# KiCad board mtk64_R_rev2.kicad_pcb (continued)
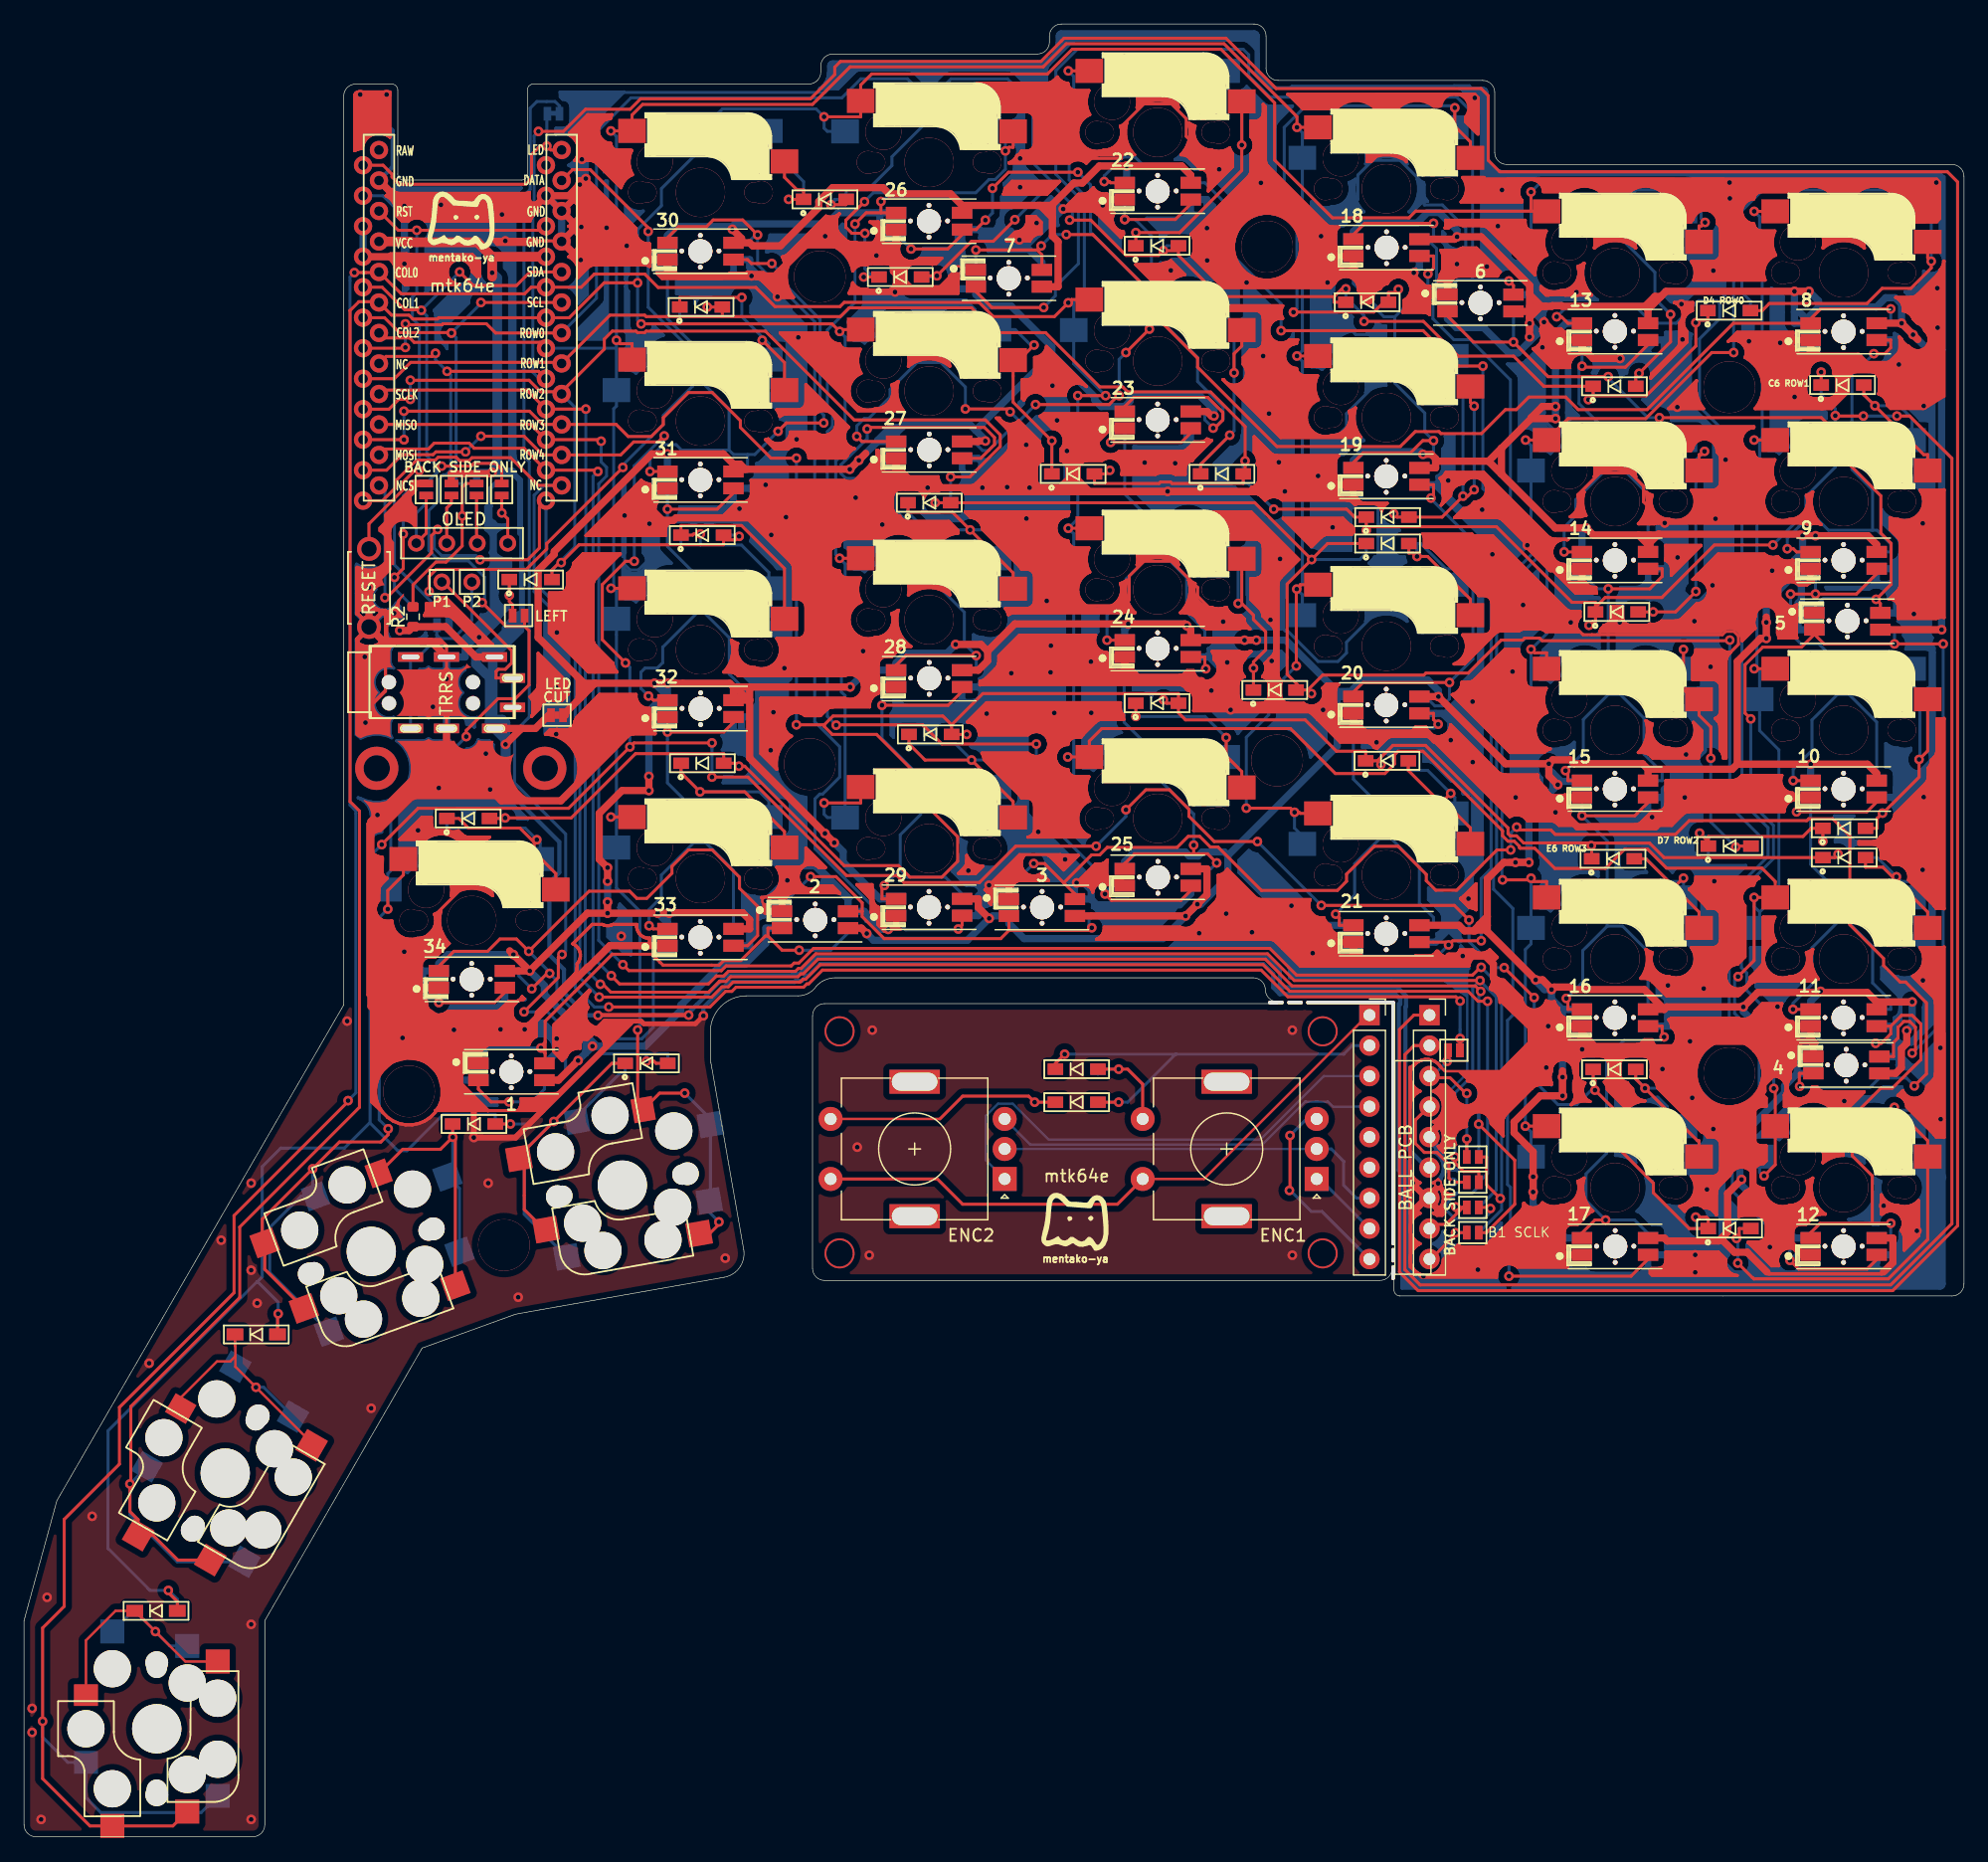
[diagram p0: board, top side]
## Routing (per net, layer and track width the routed paths; a pad name or vN(x,y) marks a point on that pad's centre or on a via; arc(x,y) is an arc through that point) (continued)
; 117.95,57.34 117.93,57.37 ; 117.95,57.34 118.26,57.03 ; 47.86,141.99 47.9,141.79 ; 47.86,141.99 47.9,141.79 ; 47.86,141.99 47.86,142.2 ; 47.86,141.99 47.86,142.2 ; 47.9,141.79 47.98,141.61 ; 47.9,141.79 47.98,141.61 ; 157,80.27 157.04,80.07 ; 157,80.27 157.04,80.07 ; 156.3,124.68 156.3,124.64 ; 156.3,124.68 156.3,124.64 ; 142.51,72.65 142.32,72.57 ; 142.51,72.65 142.32,72.57 ; 144.17,57.95 144.23,57.84 ; 144.17,57.95 144.13,58.07 ; 144.17,57.95 144.23,57.84 ; 144.17,57.95 144.13,58.07 ; 141.17,92.88 141.1,92.96 ; 141.17,92.88 141.1,92.96 ; 97.04,103.09 97.15,103.61 ; 97.04,103.09 97.15,103.61 ; 97.15,103.61 97.15,104.14 ; 97.15,103.61 97.15,104.14 ; 108.27,116.64 108.59,116.64 ; 108.27,116.64 108.59,116.64 ; 85.26,91.52 85.15,91.69 ; 85.26,91.52 85.34,91.33 ; 85.26,91.52 85.15,91.69 ; 85.26,91.52 85.34,91.33 ; 110.47,111.49 110.63,111.65 ; 110.47,111.49 110.63,111.65 ; 156.3,124.04 156.3,124.07 ; 156.3,124.04 156.3,124 ; 156.3,124.04 156.3,124 ; 156.3,124.04 156.3,124.07 ; 156.3,124.07 156.3,124.64 ; 156.3,124.07 156.3,124.64 ; 150.96,134.34 150.73,133.99 ; 150.96,134.34 150.73,133.99 ; 89.08,139.96 89.24,140.04 ; 89.08,139.96 89.24,140.04 ; 138.87,53.06 139.04,53.32 ; 138.87,53.06 139.04,53.32 ; 139.04,53.32 139.16,53.61 ; 139.04,53.32 139.16,53.61 ; 50.41,139.31 50.5,138.89 ; 50.41,139.31 50.5,138.89 ; 138.63,126.93 138.8,127.04 ; 138.63,126.93 138.8,127.04 ; 96.61,95.86 96.48,95.93 ; 96.61,95.86 96.48,95.93 ; 96.61,95.86 96.72,95.77 ; 96.61,95.86 96.72,95.77 ; 96.48,95.93 96.33,95.97 ; 96.48,95.93 96.33,95.97 ; 103.33,94.46 103.44,94.52 ; 103.33,94.46 103.44,94.52 ; 33.08,71.35 33.07,71.23 ; 33.08,71.35 33.11,71.43 ; 33.08,71.35 33.07,71.23 ; 33.08,71.35 33.11,71.43 ; 33.07,71.23 33.07,71.01 ; 33.07,71.23 33.07,71.01 ; 119.55,61.12 119.41,61.27 ; 119.55,61.12 119.41,61.27 ; 141.3,115.05 141.24,115.16 ; 141.3,115.05 141.24,115.16 ; 117.75,54.67 117.82,54.74 ; 117.75,54.67 117.82,54.74 ; 113.14,110.5 113.12,110.42 ; 113.14,110.5 113.12,110.42 ; 113.12,110.42 113.11,110.53 ; 113.12,110.42 113.11,110.53 ; 148.63,120 148.73,119.92 ; 148.63,120 148.73,119.92 ; 46.82,69.57 46.82,69.77 ; 46.82,69.57 46.86,69.37 ; 46.82,69.57 46.86,69.37 ; 46.82,69.57 46.82,69.77 ; 46.82,69.77 46.86,69.97 ; 46.82,69.77 46.86,69.97 ; 148.93,110.96 149.03,110.44 ; 148.93,110.96 149.03,110.44 ; 98.42,76.88 98.56,77.02 ; 98.42,76.88 98.25,76.77 ; 98.42,76.88 98.25,76.77 ; 98.42,76.88 98.56,77.02 ; 129.96,48.6 129.94,48.6 ; 129.96,48.6 129.94,48.6 ; 135.5,101.03 135.64,101 ; 135.5,101.03 135.64,101 ; 135.64,101 135.84,101 ; 135.64,101 135.84,101 ; 73.78,128.92 73.89,128.86 ; 73.78,128.92 73.89,128.86 ; 73.89,128.86 74.01,128.82 ; 73.89,128.86 74.01,128.82 ; 34.59,83.71 35.88,83.71 ; 34.59,83.71 35.88,83.71 ; 35.88,83.71 36.01,83.72 ; 35.88,83.71 36.01,83.72 ; 113.11,110.53 113.07,110.64 ; 113.11,110.53 113.07,110.64 ; 95.99,107.06 95.64,107.3 ; 95.99,107.06 95.64,107.3 ; 110.89,112.75 110.91,112.75 ; 110.89,112.75 110.89,112.77 ; 110.89,112.75 110.91,112.75 ; 110.89,112.75 110.89,112.77 ; 110.91,112.75 110.91,112.5 ; 110.91,112.75 110.91,112.5 ; 149.43,123 149.24,122.92 ; 149.43,123 149.24,122.92 ; 129.68,86.43 129.68,86.45 ; 129.68,86.43 129.68,86.45 ; 156.31,104.18 156.28,104.06 ; 156.31,104.18 156.28,104.06 ; 94.87,109.17 94.95,109.58 ; 94.87,109.17 94.95,109.58 ; 144.09,71.2 143.93,71.11 ; 144.09,71.2 144.27,71.26 ; 144.09,71.2 143.93,71.11 ; 144.09,71.2 144.27,71.26 ; 143.93,71.11 143.79,71 ; 143.93,71.11 143.79,71 ; 45.86,65.65 46.06,65.69 ; 45.86,65.65 45.68,65.58 ; 45.86,65.65 45.68,65.58 ; 45.86,65.65 46.06,65.69 ; 121.9,73.34 121.71,73.42 ; 121.9,73.34 121.71,73.42 ; 129.48,100.43 129.5,100.39 ; 129.48,100.43 129.4,100.62 ; 129.48,100.43 129.4,100.62 ; 129.48,100.43 129.5,100.39 ; 112.21,91.06 112.08,91.13 ; 112.21,91.06 112.33,90.97 ; 112.21,91.06 112.08,91.13 ; 112.21,91.06 112.33,90.97 ; 47.1,70.53 47.16,70.44 ; 47.1,70.53 47.16,70.44 ; 77.1,112.24 77.31,112.24 ; 77.1,112.24 77.31,112.24 ; 64.54,79.67 64.62,79.49 ; 64.54,79.67 64.62,79.49 ; 119.21,57.82 119.28,57.66 ; 119.21,57.82 119.28,57.66 ; 99.12,127.72 99.17,127.68 ; 99.12,127.72 99.17,127.68 ; 29.57,137.79 29.56,137.77 ; 29.57,137.79 29.56,137.77 ; 29.57,137.79 30.36,137 ; 29.57,137.79 30.36,137 ; 29.56,137.77 29.38,137.95 ; 29.56,137.77 29.38,137.95 ; 34.43,70.6 33.23,70.6 ; 34.43,70.6 33.23,70.6 ; 147.29,104.55 147.08,104.55 ; 147.29,104.55 147.49,104.51 ; 147.29,104.55 147.08,104.55 ; 147.29,104.55 147.49,104.51 ; 147.08,104.55 146.88,104.51 ; 147.08,104.55 146.88,104.51 ; 72.79,76.85 72.81,76.85 ; 72.79,76.85 72.81,76.85 ; 72.81,76.85 72.81,76.6 ; 72.81,76.85 72.81,76.6 ; 142.36,66.39 141.81,66.39 ; 142.36,66.39 142.9,66.28 ; 142.36,66.39 142.9,66.28 ; 142.36,66.39 141.81,66.39 ; 64.51,80.77 64.63,80.78 ; 64.51,80.77 64.63,80.78 ; 64.63,80.78 64.75,80.82 ; 64.63,80.78 64.75,80.82 ; 122.12,49.51 122.15,49.62 ; 122.12,49.51 122.15,49.62 ; 122.12,49.51 122.06,49.4 ; 122.12,49.51 122.06,49.4 ; 122.15,49.62 122.28,49.69 ; 122.15,49.62 122.28,49.69 ; 118.02,54.49 117.99,54.51 ; 118.02,54.49 117.99,54.51 ; 39.2,68.72 39.24,68.73 ; 39.2,68.72 39.24,68.73 ; 89.43,99.02 89.57,98.87 ; 89.43,99.02 89.32,99.19 ; 89.43,99.02 89.57,98.87 ; 89.43,99.02 89.32,99.19 ; 128.33,68.15 128.32,68.03 ; 128.33,68.15 128.32,68.03 ; 99.96,107.99 99.86,107.91 ; 99.96,107.99 99.86,107.91 ; 155.88,85.17 155.84,84.97 ; 155.88,85.17 155.84,84.97 ; 120.31,60.89 120.51,60.93 ; 120.31,60.89 120.11,60.89 ; 120.31,60.89 120.11,60.89 ; 120.31,60.89 120.51,60.93 ; 120.51,60.93 120.7,61.01 ; 120.51,60.93 120.7,61.01 ; 75.81,125.3 75.9,124.88 ; 75.81,125.3 75.81,125.72 ; 75.81,125.3 75.81,125.72 ; 75.81,125.3 75.9,124.88 ; 65.43,81.01 65.23,80.97 ; 65.43,81.01 65.23,80.97 ; 83.68,143.68 83.56,143.69 ; 83.68,143.68 83.8,143.65 ; 83.68,143.68 83.56,143.69 ; 83.68,143.68 83.8,143.65 ; 83.56,143.69 81.26,143.69 ; 83.56,143.69 81.26,143.69 ; 34.05,102.74 34.24,102.81 ; 34.05,102.74 34.24,102.81 ; 34.05,102.74 33.85,102.7 ; 34.05,102.74 33.85,102.7 ; 45.59,90.81 45.2,91.2 ; 45.59,90.81 45.9,90.34 ; 45.59,90.81 45.9,90.34 ; 45.59,90.81 45.2,91.2 ; 45.2,91.2 44.73,91.51 ; 45.2,91.2 44.73,91.51 ; 113.07,110.64 113.02,110.76 ; 113.07,110.64 113.02,110.76 ; 49.41,97.02 49.31,97.12 ; 49.41,97.02 49.31,97.12 ; 144.31,114.89 144.23,114.99 ; 144.31,114.89 144.23,114.99 ; 138.74,85.4 138.77,85.4 ; 138.74,85.4 138.77,85.4 ; 119.5,134.31 119.3,134.31 ; 119.5,134.31 119.3,134.31 ; 122.64,109.89 119.18,109.89 ; 122.64,109.89 119.18,109.89 ; 122.64,109.89 122.68,109.89 ; 122.64,109.89 122.68,109.89 ; 144.98,102.52 145.16,102.54 ; 144.98,102.52 145.16,102.54 ; 42.25,134.82 42.15,134.58 ; 42.25,134.82 42.15,134.58 ; 42.25,134.82 42.4,135.05 ; 42.25,134.82 42.4,135.05 ; 42.15,134.58 33.43,134.58 ; 42.15,134.58 33.43,134.58 ; 53.45,108.9 53.45,108.39 ; 53.45,108.9 53.45,108.39 ; 53.45,108.9 53.46,109.03 ; 53.45,108.9 53.46,109.03 ; 159.71,130.58 159.82,130.75 ; 159.71,130.58 159.82,130.75 ; 159.82,130.75 159.9,130.93 ; 159.82,130.75 159.9,130.93 ; 116.87,58.47 117.65,59.25 ; 116.87,58.47 117.65,59.25 ; 144.55,64.92 144.25,65.38 ; 144.55,64.92 144.76,64.41 ; 144.55,64.92 144.25,65.38 ; 144.55,64.92 144.76,64.41 ; 91.66,142.62 91.88,142.77 ; 91.66,142.62 91.88,142.77 ; 42.83,132.85 42.6,132.7 ; 42.83,132.85 42.9,132.89 ; 42.83,132.85 42.6,132.7 ; 42.83,132.85 42.9,132.89 ; 42.6,132.7 42.55,132.65 ; 42.6,132.7 42.55,132.65 ; 138.65,109.99 138.87,110.22 ; 138.65,109.99 138.87,110.22 ; 80.73,78.23 81.93,78.23 ; 80.73,78.23 81.93,78.23 ; 95.82,113.55 95.68,113.6 ; 95.82,113.55 95.68,113.6 ; 95.68,113.6 95.57,113.61 ; 95.68,113.6 95.57,113.61 ; 144.31,60.65 144.23,60.55 ; 144.31,60.65 144.23,60.55 ; 144.23,60.55 144.17,60.44 ; 144.23,60.55 144.17,60.44 ; 104.7,96.29 104.73,96.27 ; 104.7,96.29 104.73,96.27 ; 104.73,96.27 104.75,96.25 ; 104.73,96.27 104.75,96.25 ; 94.6,111.97 94.71,111.98 ; 94.6,111.97 94.71,111.98 ; 103.24,124.38 103.2,124.26 ; 103.24,124.38 103.2,124.26 ; 124.71,52.12 124.74,52.15 ; 124.71,52.12 124.74,52.15 ; 122.81,47.19 122.73,47 ; 122.81,47.19 122.73,47 ; 110.57,109.22 110.59,109.21 ; 110.57,109.22 110.55,109.23 ; 110.57,109.22 110.55,109.23 ; 110.57,109.22 110.59,109.21 ; 110.59,109.21 110.6,109.21 ; 110.59,109.21 110.6,109.21 ; 102.14,100.61 101.99,100.67 ; 102.14,100.61 101.99,100.67 ; 102.14,100.61 101.92,100.83 ; 102.14,100.61 101.92,100.83 ; 101.99,100.67 101.79,100.71 ; 101.99,100.67 101.79,100.71 ; 111.17,128.84 111.17,129.04 ; 111.17,128.84 111.17,129.04 ; 100.24,102.24 100.36,102.07 ; 100.24,102.24 100.36,102.07 ; 100.36,102.07 100.5,101.93 ; 100.36,102.07 100.5,101.93 ; 67.63,117.47 67.55,117.28 ; 67.63,117.47 67.55,117.28 ; 87.98,84.07 87.86,84.36 ; 87.98,84.07 87.86,84.36 ; 69.75,95.29 69.83,95.47 ; 69.75,95.29 69.83,95.47 ; 96.98,115.64 96.96,115.61 ; 96.98,115.64 96.96,115.61 ; 118.31,91.76 118.13,91.68 ; 118.31,91.76 118.13,91.68 ; 70.45,94.35 70.49,94.55 ; 70.45,94.35 70.49,94.55 ; 74.92,126.13 74.76,126.52 ; 74.92,126.13 75,125.72 ; 74.92,126.13 74.76,126.52 ; 74.92,126.13 75,125.72 ; 74.76,126.52 74.71,126.6 ; 74.76,126.52 74.71,126.6 ; 120.51,62.92 120.7,62.84 ; 120.51,62.92 120.7,62.84 ; 60.61,130.29 60.65,130.29 ; 60.61,130.29 60.65,130.29 ; 60.65,130.29 61.6,130.29 ; 60.65,130.29 61.6,130.29 ; 117.65,52.25 117.58,52.01 ; 117.65,52.25 117.58,52.01 ; 121.5,60.36 121.3,60.4 ; 121.5,60.36 121.3,60.4 ; 121.3,60.4 121.1,60.4 ; 121.3,60.4 121.1,60.4 ; 86.09,108.51 86.2,108.34 ; 86.09,108.51 86.2,108.34 ; 86.09,108.51 86.01,108.69 ; 86.09,108.51 86.01,108.69 ; 86.2,108.34 86.35,108.19 ; 86.2,108.34 86.35,108.19 ; 118.2,73.38 118.39,73.3 ; 118.2,73.38 118.39,73.3 ; 97.1,101.9 97.09,101.9 ; 97.1,101.9 97.09,101.9 ; 71.18,95.24 70.99,95.17 ; 71.18,95.24 70.99,95.17 ; 48.5,74.08 48.5,74.08 ; 48.5,74.08 48.5,74.08 ; 79.46,130.39 79.46,130.65 ; 79.46,130.39 79.46,130.65 ; 148.73,48.6 148.71,48.6 ; 148.73,48.6 148.71,48.6 ; 148.54,111.66 148.59,111.37 ; 148.54,111.66 148.59,111.37 ; 144.13,58.07 144.12,58.2 ; 144.13,58.07 144.12,58.2 ; 115.56,53.68 115.49,53.41 ; 115.56,53.68 115.49,53.41 ; 82.21,78.23 82.21,77.98 ; 82.21,78.23 82.21,77.98 ; 102.97,102.3 102.95,102.32 ; 102.97,102.3 103.07,102.18 ; 102.97,102.3 103.07,102.18 ; 102.97,102.3 102.95,102.32 ; 102.95,102.32 102.22,103.05 ; 102.95,102.32 102.22,103.05 ; 71.17,115.33 71.18,115.11 ; 71.17,115.33 71.18,115.11 ; 71.17,115.33 71.18,115.45 ; 71.17,115.33 71.18,115.45 ; 71.18,115.11 71.33,114.95 ; 71.18,115.11 71.33,114.95 ; 86.82,112.7 86.87,112.81 ; 86.82,112.7 86.87,112.81 ; 79.63,109.52 79.49,109.67 ; 79.63,109.52 79.49,109.67 ; 75.9,105.83 76.06,105.44 ; 75.9,105.83 76.06,105.44 ; 138.17,85.15 137.28,84.25 ; 138.17,85.15 137.28,84.25 ; 144.53,51.78 143.22,51.78 ; 144.53,51.78 143.22,51.78 ; 137.48,109.64 137.8,109.64 ; 137.48,109.64 137.8,109.64 ; 137.48,109.64 137.18,109.7 ; 137.48,109.64 137.18,109.7 ; 157.97,123.8 158.15,123.85 ; 157.97,123.8 157.79,123.78 ; 157.97,123.8 158.15,123.85 ; 157.97,123.8 157.79,123.78 ; 158.15,123.85 158.31,123.94 ; 158.15,123.85 158.31,123.94 ; 120.87,62.73 120.7,62.84 ; 120.87,62.73 121.01,62.59 ; 120.87,62.73 121.01,62.59 ; 120.87,62.73 120.7,62.84 ; 116.87,144.69 115.09,144.69 113.74,143.35 113.74,141.68 115.17,140.25 115.17,139.51 114.41,140.27 112.99,140.27 112.25,139.53 111.91,139.53 111.91,140.37 113.26,141.73 113.26,143.33 111.92,144.67 110.02,144.67 109.28,143.93 106.54,143.93 105.33,145.14 105.27,145.14 119.79,145.14 ; 70.89,99.89 71.06,99.89 ; 70.89,99.89 71.06,99.89 ; 150.54,122.67 150.65,122.5 ; 150.54,122.67 150.65,122.5 ; 101.68,101.44 101.68,101.43 ; 101.68,101.44 101.68,101.43 ; 81.69,137.02 81.73,137.22 ; 81.69,137.02 81.61,136.83 ; 81.69,137.02 81.61,136.83 ; 81.69,137.02 81.73,137.22 ; 49.06,140.64 49.16,140.57 ; 49.06,140.64 49.16,140.57 ; 49.16,140.57 49.27,140.51 ; 49.16,140.57 49.27,140.51 ; 69.47,129.01 69.3,129.12 ; 69.47,129.01 69.3,129.12 ; 141.15,48.7 141.19,48.69 ; 141.15,48.7 136.95,48.7 ; 141.15,48.7 141.19,48.69 ; 141.15,48.7 136.95,48.7 ; 73.74,103.71 73.74,104.13 ; 73.74,103.71 73.68,103.45 ; 73.74,103.71 73.74,104.13 ; 73.74,103.71 73.68,103.45 ; 35.31,101.72 35.17,101.74 ; 35.31,101.72 35.17,101.74 ; 35.31,101.72 35.49,101.67 ; 35.31,101.72 35.49,101.67 ; 118.39,73.3 118.59,73.26 ; 118.39,73.3 118.59,73.26 ; 157.44,109.82 157.7,109.99 ; 157.44,109.82 157.7,109.99 ; 85.97,108.89 86.01,108.69 ; 85.97,108.89 86.01,108.69 ; 97.69,76.21 97.75,76.35 ; 97.69,76.21 97.75,76.35 ; 97.75,76.35 98.11,76.71 ; 97.75,76.35 98.11,76.71 ; 141.3,131.61 141.34,131.73 ; 141.3,131.61 141.24,131.5 ; 141.3,131.61 141.24,131.5 ; 141.3,131.61 141.34,131.73 ; 52.12,93.78 52.12,93.56 ; 52.12,93.78 52.12,93.56 ; 52.12,93.78 52.13,93.9 ; 52.12,93.78 52.13,93.9 ; 52.12,93.56 52.28,93.4 ; 52.12,93.56 52.28,93.4 ; 156.3,124 156.28,123.89 ; 156.3,124 156.28,123.89 ; 126.85,90.49 126.71,90.38 ; 126.85,90.49 127.01,90.58 ; 126.85,90.49 127.01,90.58 ; 126.85,90.49 126.71,90.38 ; 126.71,90.38 126.7,90.36 ; 126.71,90.38 126.7,90.36 ; 145.06,51.49 145.11,51.38 ; 145.06,51.49 145.11,51.38 ; 53.55,109.26 53.5,109.14 ; 53.55,109.26 53.5,109.14 ; 53.5,109.14 53.46,109.03 ; 53.5,109.14 53.46,109.03 ; 157.5,128.28 157.64,128.35 ; 157.5,128.28 157.36,128.23 ; 157.5,128.28 157.36,128.23 ; 157.5,128.28 157.64,128.35 ; 157.64,128.35 157.75,128.44 ; 157.64,128.35 157.75,128.44 ; 118.1,60.17 117.95,59.95 ; 118.1,60.17 117.95,59.95 ; 79.86,108.96 79.86,108.9 ; 79.86,108.96 79.86,108.9 ; 144.23,136.75 144.17,136.64 ; 144.23,136.75 144.17,136.64 ; 144.23,136.75 144.31,136.85 ; 144.23,136.75 144.31,136.85 ; 133,63.45 133.01,63.33 ; 133,63.45 133.01,63.33 ; 65.1,100.21 65.14,100.33 ; 65.1,100.21 65.14,100.33 ; 65.1,100.21 65.04,100.1 ; 65.1,100.21 65.04,100.1 ; 66.19,80.78 66.24,80.74 ; 66.19,80.78 66.24,80.74 ; 116.89,58.1 116.87,58.11 ; 116.89,58.1 117.06,58.28 ; 116.89,58.1 117.06,58.28 ; 116.89,58.1 116.87,58.11 ; 116.87,58.11 116.86,58.1 ; 116.87,58.11 116.86,58.1 ; 147.68,101.45 147.69,101.33 ; 147.68,101.45 147.69,101.33 ; 147.68,101.45 147.68,101.66 ; 147.68,101.45 147.68,101.66 ; 79.1,112.57 79.23,112.64 ; 79.1,112.57 78.95,112.53 ; 79.1,112.57 79.23,112.64 ; 79.1,112.57 78.95,112.53 ; 88.41,112.42 88.49,112.42 ; 88.41,112.42 88.49,112.42 ; 129.4,100.62 129.36,100.82 ; 129.4,100.62 129.36,100.82 ; 149.22,51.74 149.11,51.64 ; 149.22,51.74 149.11,51.64 ; 128.37,123.93 128.43,123.82 ; 128.37,123.93 128.43,123.82 ; 67.3,105.69 67.46,105.58 ; 67.3,105.69 67.46,105.58 ; 28.95,82.07 29,81.99 ; 28.95,82.07 28.95,64.93 ; 28.95,82.07 29,81.99 ; 28.95,82.07 28.95,64.93 ; 29,81.99 29.14,81.85 ; 29,81.99 29.14,81.85 ; 118.86,92.64 122.74,88.76 ; 118.86,92.64 122.74,88.76 ; 135.85,65.96 135.99,65.82 ; 135.85,65.96 135.73,66.13 ; 135.85,65.96 135.73,66.13 ; 135.85,65.96 135.99,65.82 ; 68.73,96.81 68.53,96.77 ; 68.73,96.81 68.53,96.77 ; 68.53,96.77 68.38,96.71 ; 68.53,96.77 68.38,96.71 ; 94.53,130.96 94.56,130.97 ; 94.53,130.96 94.56,130.97 ; 79.46,130.65 79.44,130.65 ; 79.46,130.65 79.44,130.65 ; 86.2,146.44 86.1,146.59 ; 86.2,146.44 86.1,146.59 ; 143.49,79.05 143.34,78.91 ; 143.49,79.05 143.34,78.91 ; 49.68,91.44 49.82,91.59 ; 49.68,91.44 49.82,91.59 ; 148.73,124.8 148.73,124.82 ; 148.73,124.8 148.73,124.82 ; 148.73,124.82 148.99,124.82 ; 148.73,124.82 148.99,124.82 ; 68.82,132.82 68.94,132.81 ; 68.82,132.82 68.68,132.86 ; 68.82,132.82 68.68,132.86 ; 68.82,132.82 68.94,132.81 ; 68.94,132.81 68.97,132.81 ; 68.94,132.81 68.97,132.81 ; 90.13,98.64 90.22,98.64 ; 90.13,98.64 90.22,98.64 ; 117.75,61.91 117.53,62.06 ; 117.75,61.91 117.53,62.06 ; 48.88,143.22 48.88,143.13 ; 48.88,143.22 48.88,143.13 ; 48.88,143.22 48.92,143.34 ; 48.88,143.22 48.92,143.34 ; 116.21,54.52 116.31,54.48 ; 116.21,54.52 115.99,54.67 ; 116.21,54.52 116.31,54.48 ; 116.21,54.52 115.99,54.67 ; 129.22,63.38 129.18,63.58 ; 129.22,63.38 129.18,63.58 ; 71.28,98.03 71.22,97.92 ; 71.28,98.03 71.36,98.13 ; 71.28,98.03 71.36,98.13 ; 71.28,98.03 71.22,97.92 ; 71.22,97.92 71.18,97.8 ; 71.22,97.92 71.18,97.8 ; 110.65,108.56 110.62,108.49 ; 110.65,108.56 110.62,108.49 ; 141.82,98.07 141.8,97.89 ; 141.82,98.07 141.8,97.89 ; 141.82,98.07 141.83,98.11 ; 141.82,98.07 141.83,98.11 ; 141.8,97.89 141.81,97.84 ; 141.8,97.89 141.81,97.84 ; 149.94,132.61 149.94,133.03 ; 149.94,132.61 149.94,133.03 ; 149.94,132.61 149.88,132.35 ; 149.94,132.61 149.88,132.35 ; 109.32,92.83 109.38,92.72 ; 109.32,92.83 109.38,92.72 ; 109.32,92.83 109.28,92.95 ; 109.32,92.83 109.28,92.95 ; 136.8,106.53 136.8,107.53 ; 136.8,106.53 136.8,107.53 ; 136.8,107.53 136.79,107.57 ; 136.8,107.53 136.79,107.57 ; 78.55,81.21 78.55,81.25 ; 78.55,81.21 78.53,81.1 ; 78.55,81.21 78.55,81.25 ; 78.55,81.21 78.53,81.1 ; 78.55,81.25 78.55,81.29 ; 78.55,81.25 78.55,81.29 ; 102.14,98.74 102.23,98.74 ; 102.14,98.74 102.23,98.74 ; 121.74,111.72 121.82,111.91 ; 121.74,111.72 121.82,111.91 ; 103.44,139.67 103.44,139.63 ; 103.44,139.67 103.44,139.71 ; 103.44,139.67 103.44,139.71 ; 103.44,139.67 103.44,139.63 ; 103.44,139.63 103.45,139.52 ; 103.44,139.63 103.45,139.52 ; 147.39,106.32 147.4,106.32 ; 147.39,106.32 147.4,106.32 ; 147.4,106.32 147.38,106.25 ; 147.4,106.32 147.38,106.25 ; 139.3,79.93 144.48,79.93 ; 139.3,79.93 144.48,79.93 ; 53.74,112.45 53.76,112.45 ; 53.74,112.45 53.74,112.47 ; 53.74,112.45 53.76,112.45 ; 53.74,112.45 53.74,112.47 ; 51.04,75.99 51.04,75.79 ; 51.04,75.99 51.04,76 ; 51.04,75.99 51.04,75.79 ; 51.04,75.99 51.04,76 ; 157.75,128.44 157.78,128.47 ; 157.75,128.44 157.78,128.47 ; 157.78,128.47 159.41,130.11 ; 157.78,128.47 159.41,130.11 ; 156.75,61.25 156.63,61.42 ; 156.75,61.25 156.83,61.06 ; 156.75,61.25 156.83,61.06 ; 156.75,61.25 156.63,61.42 ; 45.88,137.07 46.03,137.3 ; 45.88,137.07 46.03,137.3 ; 46.03,137.3 46.14,137.56 ; 46.03,137.3 46.14,137.56 ; 158.73,124.72 158.71,124.9 ; 158.73,124.72 158.71,124.54 ; 158.73,124.72 158.71,124.9 ; 158.73,124.72 158.71,124.54 ; 158.71,124.9 158.66,125.08 ; 158.71,124.9 158.66,125.08 ; 109.83,129.93 109.64,129.86 ; 109.83,129.93 109.64,129.86 ; 33.21,82.9 33.11,82.98 ; 33.21,82.9 33.11,82.98 ; 69.61,113.25 69.72,113.42 ; 69.61,113.25 69.46,113.11 ; 69.61,113.25 69.72,113.42 ; 69.61,113.25 69.46,113.11 ; 83.47,80.26 83.63,80.15 ; 83.47,80.26 83.63,80.15 ; 146.78,62.03 146.82,62.23 ; 146.78,62.03 146.82,62.23 ; 42.79,68.36 42.73,68.27 ; 42.79,68.36 42.73,68.27 ; 149.9,56.16 149.88,56.15 ; 149.9,56.16 150.34,56.45 ; 149.9,56.16 150.34,56.45 ; 149.9,56.16 149.88,56.15 ; 149.88,56.15 149.94,56.41 ; 149.88,56.15 149.94,56.41 ; 42.73,68.27 42.71,68.23 ; 42.73,68.27 42.71,68.23 ; 59.46,96.75 59.49,96.71 ; 59.46,96.75 59.49,96.71 ; 52.12,131.88 52.12,131.66 ; 52.12,131.88 52.12,131.66 ; 52.12,131.66 52.28,131.5 ; 52.12,131.66 52.28,131.5 ; 118.91,129.6 118.88,129.6 ; 118.91,129.6 118.97,129.7 ; 118.91,129.6 118.88,129.6 ; 118.91,129.6 118.97,129.7 ; 118.88,129.6 118.73,129.44 ; 118.88,129.6 118.73,129.44 ; 146.37,52.49 146.69,52.49 ; 146.37,52.49 146.69,52.49 ; 136.93,117.42 136.99,117.32 ; 136.93,117.42 136.99,117.32 ; 137.51,127.8 139.04,127.8 ; 137.51,127.8 139.04,127.8 ; 109.28,131.96 109.43,131.8 ; 109.28,131.96 109.43,131.8 ; 109.43,131.8 110.63,131.8 ; 109.43,131.8 110.63,131.8 ; 117.15,129.16 117.12,129.09 ; 117.15,129.16 117.12,129.09 ; 110.35,111.34 110.23,111.35 ; 110.35,111.34 110.23,111.35 ; 127.03,128.42 126.81,128.42 ; 127.03,128.42 126.81,128.42 ; 129.68,124.55 128.48,124.55 ; 129.68,124.55 129.68,123.7 ; 129.68,124.55 129.68,123.7 ; 129.68,124.55 128.48,124.55 ; 128.48,124.55 128.33,124.39 ; 128.48,124.55 128.33,124.39 ; 90.33,97.42 90.27,97.53 ; 90.33,97.42 90.27,97.53 ; 45.19,65 45.25,65.15 ; 45.19,65 44.85,64.66 ; 45.19,65 45.25,65.15 ; 45.19,65 44.85,64.66 ; 42.15,66.2 42.07,66.01 ; 42.15,66.2 42.07,66.01 ; 147.53,136.83 147.51,136.85 ; 147.53,136.83 147.51,136.85 ; 147.51,136.85 147.41,136.93 ; 147.51,136.85 147.41,136.93 ; 159.27,77.41 159.3,77.34 ; 159.27,77.41 159.3,77.34 ; 46.06,133.49 46,133.6 ; 46.06,133.49 46.16,133.23 ; 46.06,133.49 46,133.6 ; 46.06,133.49 46.16,133.23 ; 46,133.6 45.76,133.67 ; 46,133.6 45.76,133.67 ; 67.47,124.47 67.66,124.4 ; 67.47,124.47 67.3,124.59 ; 67.47,124.47 67.3,124.59 ; 67.47,124.47 67.66,124.4 ; 77.31,112.24 77.51,112.28 ; 77.31,112.24 77.51,112.28 ; 80.31,78.61 80.38,78.48 ; 80.31,78.61 80.38,78.48 ; 80.31,78.61 80.29,78.65 ; 80.31,78.61 80.29,78.65 ; 129.94,48.6 129.94,48.62 ; 129.94,48.6 129.94,48.62 ; 30.46,136.51 30.24,136.66 ; 30.46,136.51 30.66,136.32 ; 30.46,136.51 30.66,136.32 ; 30.46,136.51 30.24,136.66 ; 30.24,136.66 30.16,136.69 ; 30.24,136.66 30.16,136.69 ; 73.67,123.52 73.88,123.61 ; 73.67,123.52 73.74,123.18 ; 73.67,123.52 73.74,123.18 ; 73.67,123.52 73.88,123.61 ; 127.33,107.33 127.29,107.13 ; 127.33,107.33 127.29,107.13 ; 73.03,99.02 72.95,98.96 ; 73.03,99.02 72.95,98.96 ; 156.56,127.11 156.74,127.07 ; 156.56,127.11 156.74,127.07 ; 34.24,76.76 34.2,76.85 ; 34.24,76.76 34.2,76.85 ; 34.2,76.85 34.51,76.97 ; 34.2,76.85 34.51,76.97 ; 99.89,121.38 104.7,116.57 ; 99.89,121.38 104.7,116.57 ; 29.32,102.32 29,102.4 ; 29.32,102.32 29.61,102.18 ; 29.32,102.32 29.61,102.18 ; 29.32,102.32 29,102.4 ; 60.08,111.2 60.2,111.24 ; 60.08,111.2 60.2,111.24 ; 60.2,111.24 60.31,111.3 ; 60.2,111.24 60.31,111.3 ; 107.68,119.63 107.42,119.46 ; 107.68,119.63 107.42,119.46 ; 107.42,119.46 107.2,119.24 ; 107.42,119.46 107.2,119.24 ; 149.03,72.34 149.23,71.85 ; 149.03,72.34 149.23,71.85 ; 31.31,83.08 33.14,84.91 ; 31.31,83.08 32.76,83.08 ; 31.31,83.08 32.76,83.08 ; 31.31,83.08 33.14,84.91 ; 33.14,84.91 33.95,84.91 ; 33.14,84.91 33.95,84.91 ; 135.74,91.47 135.91,91.23 ; 135.74,91.47 135.91,91.23 ; 115.58,92.08 115.7,92.14 ; 115.58,92.08 115.7,92.14 ; 115.7,92.14 115.8,92.23 ; 115.7,92.14 115.8,92.23 ; 119.57,95.49 119.68,95.66 ; 119.57,95.49 119.68,95.66 ; 130.96,103.85 130.96,104.06 ; 130.96,103.85 130.96,104.06 ; 63.63,130.76 63.83,131.27 ; 63.63,130.76 63.83,131.27 ; 156.2,135.98 156.04,136.37 ; 156.2,135.98 156.28,135.57 ; 156.2,135.98 156.28,135.57 ; 156.2,135.98 156.04,136.37 ; 156.04,136.37 155.81,136.72 ; 156.04,136.37 155.81,136.72 ; 102.61,108.09 102.73,108.08 ; 102.61,108.09 102.73,108.08 ; 62.68,89.08 62.68,89.62 ; 62.68,89.08 62.68,89.62 ; 139.16,53.61 139.22,53.92 ; 139.16,53.61 139.22,53.92 ; 139.22,53.92 139.22,54.23 ; 139.22,53.92 139.22,54.23 ; 148.93,122.67 149.08,122.81 ; 148.93,122.67 149.08,122.81 ; 82.46,117.71 82.26,117.67 ; 82.46,117.71 82.26,117.67 ; 88.15,85.84 87.98,85.58 ; 88.15,85.84 87.98,85.58 ; 88.15,85.84 88.37,86.06 ; 88.15,85.84 88.37,86.06 ; 91.86,136.5 91.86,136.25 ; 91.86,136.5 91.86,136.25 ; 91.86,136.5 91.84,136.5 ; 91.86,136.5 91.84,136.5 ; 91.86,136.25 91.84,136.25 ; 91.86,136.25 91.84,136.25 ; 95.11,148.07 94.95,147.68 ; 95.11,148.07 94.95,147.68 ; 123.23,88.47 123.25,88.46 ; 123.23,88.47 123.25,88.46 ; 69.71,121.95 69.55,122.34 ; 69.71,121.95 69.55,122.34 ; 52.12,132.7 52.12,132.28 ; 52.12,132.7 52.11,132.69 ; 52.12,132.7 52.11,132.69 ; 52.12,132.7 52.12,132.28 ; 52.12,132.28 52.13,132.15 ; 52.12,132.28 52.13,132.15 ; 141.06,115.34 141.16,115.26 ; 141.06,115.34 141.16,115.26 ; 149.01,124.55 148.99,124.55 ; 149.01,124.55 148.99,124.55 ; 46,132.17 45.76,132.1 ; 46,132.17 45.76,132.1 ; 147.42,104.88 147.48,104.77 ; 147.42,104.88 147.48,104.77 ; 109.27,94.48 109.28,94.35 ; 109.27,94.48 109.28,94.35 ; 87.7,121.08 87.5,121.04 ; 87.7,121.08 87.9,121.08 ; 87.7,121.08 87.5,121.04 ; 87.7,121.08 87.9,121.08 ; 87.86,84.36 87.8,84.67 ; 87.86,84.36 87.8,84.67 ; 36.13,83.06 35.78,83.3 ; 36.13,83.06 36.43,82.77 ; 36.13,83.06 36.43,82.77 ; 36.13,83.06 35.78,83.3 ; 115.7,130.24 115.8,130.33 ; 115.7,130.24 115.8,130.33 ; 126.23,100.61 126.27,100.61 ; 126.23,100.61 126.27,100.61 ; 104.21,98.84 104.21,98.88 ; 104.21,98.84 104.21,98.88 ; 154.02,122.5 154.22,122.5 ; 154.02,122.5 153.82,122.54 ; 154.02,122.5 154.22,122.5 ; 154.02,122.5 153.82,122.54 ; 97.08,75.7 96.88,75.66 ; 97.08,75.7 96.88,75.66 ; 151.62,60.26 151.57,60.12 ; 151.62,60.26 151.57,60.12 ; 97.34,114.63 97.4,114.75 ; 97.34,114.63 97.4,114.75 ; 154.67,82.28 154.62,82.39 ; 154.67,82.28 154.71,82.16 ; 154.67,82.28 154.62,82.39 ; 154.67,82.28 154.71,82.16 ; 97.45,93.79 97.46,93.83 ; 97.45,93.79 97.46,93.83 ; 135.37,71.44 135.2,71.49 ; 135.37,71.44 135.2,71.49 ; 135.37,71.44 135.54,71.35 ; 135.37,71.44 135.54,71.35 ; 135.2,71.49 135.06,71.51 ; 135.2,71.49 135.06,71.51 ; 104.88,127.53 104.85,127.49 ; 104.88,127.53 104.85,127.49 ; 49.45,90.82 45.06,86.43 ; 49.45,90.82 49.45,90.89 ; 49.45,90.82 45.06,86.43 ; 49.45,90.82 49.45,90.89 ; 45.06,86.43 44.6,86.43 ; 45.06,86.43 44.6,86.43 ; 117.53,62.06 117.42,62.1 ; 117.53,62.06 117.42,62.1 ; 110.63,73.55 110.47,73.39 ; 110.63,73.55 110.47,73.39 ; 45.41,71 45.33,70.93 ; 45.41,71 45.33,70.93 ; 111.32,128.66 111.37,128.54 ; 111.32,128.66 111.37,128.54 ; 135.74,110.52 135.63,110.79 ; 135.74,110.52 135.63,110.79 ; 135.58,72.98 135.63,72.69 ; 135.58,72.98 135.63,72.69 ; 129.86,110.02 129.72,109.96 ; 129.86,110.02 130.06,110.06 ; 129.86,110.02 129.72,109.96 ; 129.86,110.02 130.06,110.06 ; 129.72,109.96 128.83,109.96 ; 129.72,109.96 128.83,109.96 ; 64.51,118.87 64.63,118.88 ; 64.51,118.87 62.72,118.87 ; 64.51,118.87 64.63,118.88 ; 64.51,118.87 62.72,118.87 ; 64.63,118.88 64.75,118.92 ; 64.63,118.88 64.75,118.92 ; 130.05,62.79 129.98,62.68 ; 130.05,62.79 129.98,62.68 ; 129.98,62.68 129.9,62.49 ; 129.98,62.68 129.9,62.49 ; 71.05,115.42 71.07,115.24 ; 71.05,115.42 71.07,115.24 ; 79.86,108.9 82.92,105.84 ; 79.86,108.9 82.92,105.84 ; 109.28,112 109.32,111.88 ; 109.28,112 109.32,111.88 ; 109.32,111.88 109.38,111.77 ; 109.32,111.88 109.38,111.77 ; 149.11,51.64 149.08,51.61 ; 149.11,51.64 149.08,51.61 ; 149.08,51.61 148.48,51.01 ; 149.08,51.61 148.48,51.01 ; 101.66,96.63 101.68,96.63 ; 101.66,96.63 101.68,96.63 ; 148.86,61.29 149.28,61.29 ; 148.86,61.29 149.28,61.29 ; 120.92,73.72 120.75,73.83 ; 120.92,73.72 120.75,73.83 ; 71.18,77.01 71.33,76.85 ; 71.18,77.01 71.33,76.85 ; 157.04,79.87 157.04,80.07 ; 157.04,79.87 157.04,80.07 ; 72.79,95.65 72.79,95.63 ; 72.79,95.65 72.81,95.65 ; 72.79,95.65 72.81,95.65 ; 72.79,95.65 72.79,95.63 ; 72.79,95.63 72.53,95.63 ; 72.79,95.63 72.53,95.63 ; 138.92,112.17 140.71,112.17 ; 138.92,112.17 140.71,112.17 ; 86.98,107.87 86.98,107.96 ; 86.98,107.87 86.98,107.96 ; 116.68,58.28 116.86,58.1 ; 116.68,58.28 116.86,58.1 ; 154.83,51.86 154.75,51.86 ; 154.83,51.86 154.75,51.86 ; 72.34,119.99 72.23,119.72 ; 72.34,119.99 72.23,119.72 ; 158.19,125.78 158.05,125.93 ; 158.19,125.78 158.05,125.93 ; 106.84,118.38 106.84,118.07 ; 106.84,118.38 106.84,118.07 ; 138.77,85.4 146.65,85.4 ; 138.77,85.4 146.65,85.4 ; 90.23,97.65 90.27,97.53 ; 90.23,97.65 90.27,97.53 ; 128.61,85.54 128.51,85.62 ; 128.61,85.54 128.51,85.62 ; 156.45,127.76 156.53,127.57 ; 156.45,127.76 156.53,127.57 ; 121.63,113.65 118.47,113.65 ; 121.63,113.65 118.47,113.65 ; 88.1,121.04 87.9,121.08 ; 88.1,121.04 87.9,121.08 ; 140.13,52.38 139.99,52.38 ; 140.13,52.38 139.99,52.38 ; 139.99,52.38 139.94,52.42 ; 139.99,52.38 139.94,52.42 ; 111.06,111.03 110.94,110.99 ; 111.06,111.03 110.94,110.99 ; 110.94,110.99 110.89,110.97 ; 110.94,110.99 110.89,110.97 ; 110.94,129.6 110.79,129.74 ; 110.94,129.6 110.79,129.74 ; 76.16,128.99 76.36,129.03 ; 76.16,128.99 76.36,129.03 ; 76.36,129.03 76.55,129.11 ; 76.36,129.03 76.55,129.11 ; 154.84,81.52 154.72,81.52 ; 154.84,81.52 154.72,81.52 ; 140.1,58.52 139.98,58.62 ; 140.1,58.52 139.98,58.62 ; 140.1,58.52 140.19,58.4 ; 140.1,58.52 140.19,58.4 ; 101.25,96.36 101.2,96.24 ; 101.25,96.36 101.2,96.24 ; 101.2,96.24 101.16,96.13 ; 101.2,96.24 101.16,96.13 ; 63.32,92.73 63.32,92.52 ; 63.32,92.73 63.32,92.52 ; 63.32,92.52 63.36,92.32 ; 63.32,92.52 63.36,92.32 ; 101.68,96.65 101.68,96.63 ; 101.68,96.65 101.68,96.63 ; 102.46,140.61 102.5,140.81 ; 102.46,140.61 102.5,140.81 ; 125.02,69.24 125.16,69.1 ; 125.02,69.24 125.16,69.1 ; 127.87,69.01 127.87,68.96 ; 127.87,69.01 127.87,68.96 ; 126.37,62.66 126.33,62.66 ; 126.37,62.66 126.33,62.66 ; 29.38,137.95 29.39,137.97 ; 29.38,137.95 29.39,137.97 ; 91.05,133.92 90.91,134.06 ; 91.05,133.92 90.91,134.06 ; 139.92,116.44 139.72,116.4 ; 139.92,116.44 139.72,116.4 ; 136.91,109.74 137.08,109.74 ; 136.91,109.74 137.08,109.74 ; 136.91,109.74 136.63,109.8 ; 136.91,109.74 136.63,109.8 ; 137.08,109.74 137.18,109.7 ; 137.08,109.74 137.18,109.7 ; 91.84,117.2 91.84,117.18 ; 91.84,117.2 91.86,117.2 ; 91.84,117.2 91.86,117.2 ; 91.84,117.2 91.84,117.18 ; 91.84,117.18 91.58,117.18 ; 91.84,117.18 91.58,117.18 ; 90.51,135.35 90.62,135.29 ; 90.51,135.35 90.62,135.29 ; 71.07,133.38 71.09,133.47 ; 71.07,133.38 71.09,133.47 ; 71.07,133.38 71.05,133.27 ; 71.07,133.38 71.05,133.27 ; 146.1,100.27 146.16,100.12 ; 146.1,100.27 146.16,100.12 ; 128.66,102.13 128.69,102.12 ; 128.66,102.13 128.69,102.12 ; 139.1,115.9 139.02,115.71 ; 139.1,115.9 139.02,115.71 ; 139.1,115.9 139.21,116.07 ; 139.1,115.9 139.21,116.07 ; 139.02,115.71 139.01,115.66 ; 139.02,115.71 139.01,115.66 ; 124.84,52.26 124.91,52.4 ; 124.84,52.26 124.74,52.15 ; 124.84,52.26 124.74,52.15 ; 124.84,52.26 124.91,52.4 ; 87.26,145.57 87.37,145.51 ; 87.26,145.57 87.37,145.51 ; 127.5,69.56 127.51,69.53 ; 127.5,69.56 127.51,69.53 ; 127.5,69.56 127.37,69.54 ; 127.5,69.56 127.37,69.54 ; 127.51,69.53 127.58,69.35 ; 127.51,69.53 127.58,69.35 ; 141.06,96.29 140.95,96.35 ; 141.06,96.29 140.95,96.35 ; 99.38,140.39 99.08,140.45 ; 99.38,140.39 99.08,140.45 ; 80.29,78.65 80.17,78.79 ; 80.29,78.65 80.17,78.79 ; 80.17,78.79 80.06,78.88 ; 80.17,78.79 80.06,78.88 ; 99.08,102.35 99.38,102.29 ; 99.08,102.35 98.98,102.39 ; 99.08,102.35 98.98,102.39 ; 99.08,102.35 99.38,102.29 ; 99.38,102.29 99.7,102.29 ; 99.38,102.29 99.7,102.29 ; 127.16,90.62 127.01,90.58 ; 127.16,90.62 127.01,90.58 ; 127.16,90.62 127.02,90.65 ; 127.16,90.62 127.02,90.65 ; 75,106.67 74.92,107.08 ; 75,106.67 74.92,107.08 ; 74.92,107.08 74.76,107.47 ; 74.92,107.08 74.76,107.47 ; 146.47,68.44 146.58,68.27 ; 146.47,68.44 146.58,68.27 ; 90.86,97.14 91.42,97.14 ; 90.86,97.14 91.42,97.14 ; 138.37,52.11 138.48,52.28 ; 138.37,52.11 138.48,52.28 ; 91.86,79.35 91.86,79.1 ; 91.86,79.35 91.86,79.1 ; 91.86,79.1 91.84,79.1 ; 91.86,79.1 91.84,79.1 ; 36.73,83.32 36.74,83.32 ; 36.73,83.32 36.61,83.39 ; 36.73,83.32 36.74,83.32 ; 36.73,83.32 36.61,83.39 ; 36.74,83.32 36.88,83.28 ; 36.74,83.32 36.88,83.28 ; 148.43,53.37 148.54,53.64 ; 148.43,53.37 148.54,53.64 ; 148.43,53.37 148.26,53.13 ; 148.43,53.37 148.26,53.13 ; 148.54,53.64 148.59,53.93 ; 148.54,53.64 148.59,53.93 ; 91.84,98.15 91.86,98.15 ; 91.84,98.15 91.86,98.15 ; 159.17,58.49 159.15,58.52 ; 159.17,58.49 159.15,58.52 ; 124.21,47.61 124.38,47.5 ; 124.21,47.61 124.38,47.5 ; 133.34,113.81 132.82,113.91 ; 133.34,113.8